# Altium PCB higgs.PcbDoc (part 1 of 25) (continued)
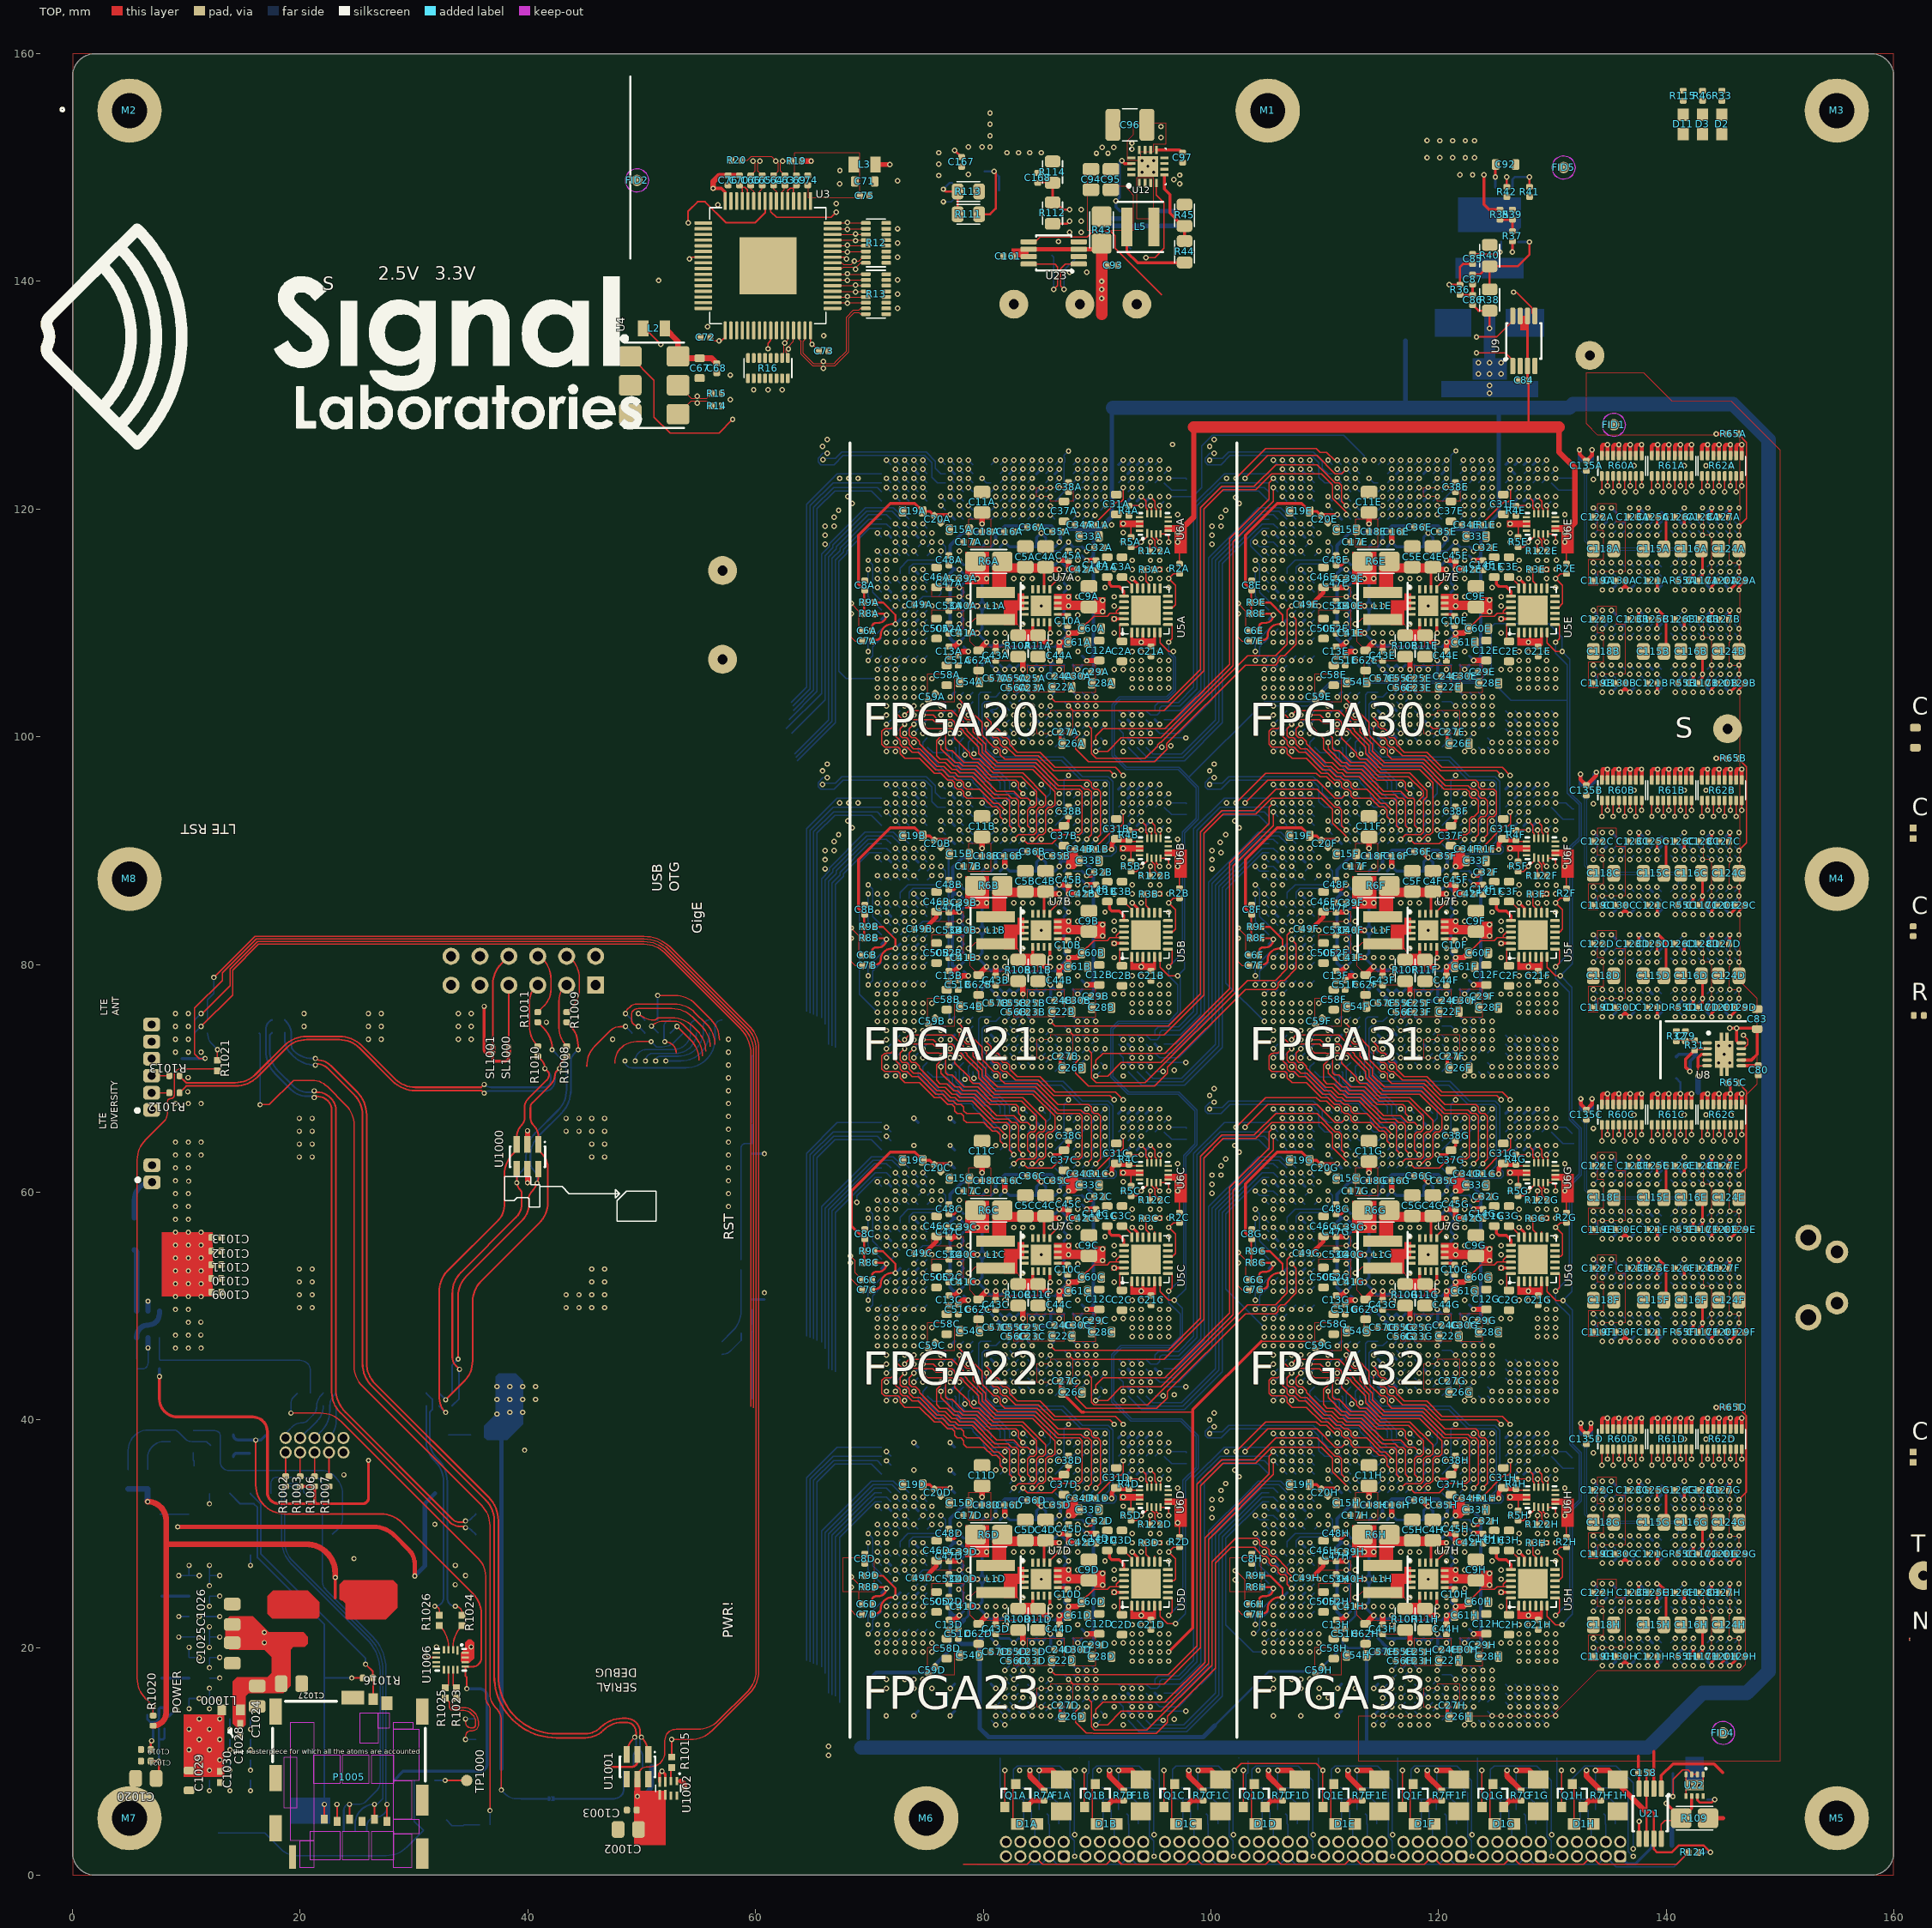
[diagram p0: TOP view]
## Design rules (kind name [scope] priority, off if disabled: settings) (continued)
9 further rules are at their usual default settings.

## Classes and differential pairs
channel class pa-900: U_pa-9001 U_pa-9002
channel class pa-5g: U_pa-5g1 U_pa-5g2
channel class pa-2g: U_pa-2g1 U_pa-2g2
net class z50l14: NetC147A_2 NetC147B_2 NetC148A_1 NetC148B_1
component class U_radio-power: R?
component class U_radio-interface: U18
component class U_pa-9002: C142B C143B C144B C145B C146B C147B C148B C149B C150B C151B C152B L10B R25B R26B U16B U17B
component class U_pa-9001: C142A C143A C144A C145A C146A C147A C148A C149A C150A C151A C152A L10A R25A R26A U16A U17A
component class U_pa-5g2: C107B C108B C109B C110B C111B C112B C113B C114B L7B R22B R23B R24B U13B
component class U_pa-5g1: C107A C108A C109A C110A C111A C112A C113A C114A L7A R22A R23A R24A U13A
component class U_pa-2g2: C98B C99B C100B C101B C102B C103B C104B C105B C106B L6B R17B R18B R21B U2B
component class U_pa-2g1: C98A C99A C100A C101A C102A C103A C104A C105A C106A L6A R17A R18A R21A U2A
component class TX: C176 C177 C178 C179 C180 C181 C182 C183 C184 C185 C186 C187 C188 C189 C190 C191 C192 C193 L11 L12 L13 L14 L15 L16 L17 L18 P7 P8 P9 P10 P11 P12 T7 T8 T9 T10 U19 U20
component class RX: C153 C154 C155 C156 C157 C169 C170 C171 C172 C173 C174 C175 P1 P2 P3 P4 P5 P6 T1 T2 T3 T4 T5 T6
net class USB: XUHOST1_D_N XUHOST1_D_P XUSB3_D_N XUSB3_D_P
net class RF: ANT_DIV ANTENNA
net class ddr_g3: IL34_30.LR.G3.D0_N IL34_30.LR.G3.D0_P IL34_30.LR.G3.D1_N IL34_30.LR.G3.D1_P IL34_30.LR.G3.D2_N IL34_30.LR.G3.D2_P IL34_30.LR.G3.D3_N IL34_30.LR.G3.D3_P IL34_30.LR.G3.D4_P IL34_30.LR.G3.S_N IL34_30.LR.G3.S_P IL34_31.LR.G3.D0_N IL34_31.LR.G3.D0_P IL34_31.LR.G3.D1_N IL34_31.LR.G3.D1_P IL34_31.LR.G3.D2_N IL34_31.LR.G3.D2_P IL34_31.LR.G3.D3_N IL34_31.LR.G3.D3_P IL34_31.LR.G3.D4_P IL34_31.LR.G3.S_N IL34_31.LR.G3.S_P IL34_32.LR.G3.D0_N IL34_32.LR.G3.D0_P IL34_32.LR.G3.D1_N IL34_32.LR.G3.D1_P IL34_32.LR.G3.D2_N IL34_32.LR.G3.D2_P IL34_32.LR.G3.D3_N IL34_32.LR.G3.D3_P IL34_32.LR.G3.D4_P IL34_32.LR.G3.S_N IL34_32.LR.G3.S_P IL34_33.LR.G3.D0_N IL34_33.LR.G3.D0_P IL34_33.LR.G3.D1_N IL34_33.LR.G3.D1_P IL34_33.LR.G3.D2_N IL34_33.LR.G3.D2_P IL34_33.LR.G3.D3_N IL34_33.LR.G3.D3_P IL34_33.LR.G3.D4_P IL34_33.LR.G3.S_N IL34_33.LR.G3.S_P
net class ddr_g2: IL34_30.LR.G2.D0_N IL34_30.LR.G2.D0_P IL34_30.LR.G2.D1_N IL34_30.LR.G2.D1_P IL34_30.LR.G2.D2_N IL34_30.LR.G2.D2_P IL34_30.LR.G2.D3_N IL34_30.LR.G2.D3_P IL34_30.LR.G2.D4_P IL34_30.LR.G2.S_N IL34_30.LR.G2.S_P IL34_31.LR.G2.D0_N IL34_31.LR.G2.D0_P IL34_31.LR.G2.D1_N IL34_31.LR.G2.D1_P IL34_31.LR.G2.D2_N IL34_31.LR.G2.D2_P IL34_31.LR.G2.D3_N IL34_31.LR.G2.D3_P IL34_31.LR.G2.D4_P IL34_31.LR.G2.S_N IL34_31.LR.G2.S_P IL34_32.LR.G2.D0_N IL34_32.LR.G2.D0_P IL34_32.LR.G2.D1_N IL34_32.LR.G2.D1_P IL34_32.LR.G2.D2_N IL34_32.LR.G2.D2_P IL34_32.LR.G2.D3_N IL34_32.LR.G2.D3_P IL34_32.LR.G2.D4_P IL34_32.LR.G2.S_N IL34_32.LR.G2.S_P IL34_33.LR.G2.D0_N IL34_33.LR.G2.D0_P IL34_33.LR.G2.D1_N IL34_33.LR.G2.D1_P IL34_33.LR.G2.D2_N IL34_33.LR.G2.D2_P IL34_33.LR.G2.D3_N IL34_33.LR.G2.D3_P IL34_33.LR.G2.D4_P IL34_33.LR.G2.S_N IL34_33.LR.G2.S_P
net class ddr_g1: IL34_30.LR.G1.D0_N IL34_30.LR.G1.D0_P IL34_30.LR.G1.D1_N IL34_30.LR.G1.D1_P IL34_30.LR.G1.D2_N IL34_30.LR.G1.D2_P IL34_30.LR.G1.D3_N IL34_30.LR.G1.D3_P IL34_30.LR.G1.D4_P IL34_30.LR.G1.S_N IL34_30.LR.G1.S_P IL34_31.LR.G1.D0_N IL34_31.LR.G1.D0_P IL34_31.LR.G1.D1_N IL34_31.LR.G1.D1_P IL34_31.LR.G1.D2_N IL34_31.LR.G1.D2_P IL34_31.LR.G1.D3_N IL34_31.LR.G1.D3_P IL34_31.LR.G1.D4_P IL34_31.LR.G1.S_N IL34_31.LR.G1.S_P IL34_32.LR.G1.D0_N IL34_32.LR.G1.D0_P IL34_32.LR.G1.D1_N IL34_32.LR.G1.D1_P IL34_32.LR.G1.D2_N IL34_32.LR.G1.D2_P IL34_32.LR.G1.D3_N IL34_32.LR.G1.D3_P IL34_32.LR.G1.D4_P IL34_32.LR.G1.S_N IL34_32.LR.G1.S_P IL34_33.LR.G1.D0_N IL34_33.LR.G1.D0_P IL34_33.LR.G1.D1_N IL34_33.LR.G1.D1_P IL34_33.LR.G1.D2_N IL34_33.LR.G1.D2_P IL34_33.LR.G1.D3_N IL34_33.LR.G1.D3_P IL34_33.LR.G1.D4_P IL34_33.LR.G1.S_N IL34_33.LR.G1.S_P
net class ddr_g0: IL34_30.LR.G0.D0_N IL34_30.LR.G0.D0_P IL34_30.LR.G0.D1_N IL34_30.LR.G0.D1_P IL34_30.LR.G0.D2_N IL34_30.LR.G0.D2_P IL34_30.LR.G0.D3_N IL34_30.LR.G0.D3_P IL34_30.LR.G0.D4_P IL34_30.LR.G0.S_N IL34_30.LR.G0.S_P IL34_31.LR.G0.D0_N IL34_31.LR.G0.D0_P IL34_31.LR.G0.D1_N IL34_31.LR.G0.D1_P IL34_31.LR.G0.D2_N IL34_31.LR.G0.D2_P IL34_31.LR.G0.D3_N IL34_31.LR.G0.D3_P IL34_31.LR.G0.D4_P IL34_31.LR.G0.S_N IL34_31.LR.G0.S_P IL34_32.LR.G0.D0_N IL34_32.LR.G0.D0_P IL34_32.LR.G0.D1_N IL34_32.LR.G0.D1_P IL34_32.LR.G0.D2_N IL34_32.LR.G0.D2_P IL34_32.LR.G0.D3_N IL34_32.LR.G0.D3_P IL34_32.LR.G0.D4_P IL34_32.LR.G0.S_N IL34_32.LR.G0.S_P IL34_33.LR.G0.D0_N IL34_33.LR.G0.D0_P IL34_33.LR.G0.D1_N IL34_33.LR.G0.D1_P IL34_33.LR.G0.D2_N IL34_33.LR.G0.D2_P IL34_33.LR.G0.D3_N IL34_33.LR.G0.D3_P IL34_33.LR.G0.D4_P IL34_33.LR.G0.S_N IL34_33.LR.G0.S_P
net class ddr_ac: IL34_30.LR.G0.D4_N IL34_30.LR.G1.D4_N IL34_30.LR.G2.D4_N IL34_30.LR.G3.D4_N IL34_30.TB.G8.D0_N IL34_30.TB.G8.D0_P IL34_30.TB.G8.D1_N IL34_30.TB.G8.D1_P IL34_30.TB.G8.D2_N IL34_30.TB.G8.D2_P IL34_30.TB.G8.D3_N IL34_30.TB.G8.D3_P IL34_30.TB.G13.C_N IL34_30.TB.G13.C_P IL34_30.TB.G13.D0_N IL34_30.TB.G13.D0_P IL34_30.TB.G13.D1_N IL34_30.TB.G13.D1_P IL34_30.TB.G13.D2_N IL34_30.TB.G13.D2_P IL34_30.TB.G13.D3_N IL34_30.TB.G13.D3_P IL34_30.TB.G13.D4_N IL34_30.TB.G13.D4_P IL34_30.TB.G13.D5_N IL34_30.TB.G13.D5_P IL34_30.TB.G13.D6 IL34_31.LR.G0.D4_N IL34_31.LR.G1.D4_N IL34_31.LR.G2.D4_N IL34_31.LR.G3.D4_N IL34_31.TB.G8.D0_N IL34_31.TB.G8.D0_P IL34_31.TB.G8.D1_N IL34_31.TB.G8.D1_P IL34_31.TB.G8.D2_N IL34_31.TB.G8.D2_P IL34_31.TB.G8.D3_N IL34_31.TB.G8.D3_P IL34_31.TB.G13.C_N IL34_31.TB.G13.C_P IL34_31.TB.G13.D0_N IL34_31.TB.G13.D0_P IL34_31.TB.G13.D1_N IL34_31.TB.G13.D1_P IL34_31.TB.G13.D2_N IL34_31.TB.G13.D2_P IL34_31.TB.G13.D3_N IL34_31.TB.G13.D3_P IL34_31.TB.G13.D4_N IL34_31.TB.G13.D4_P IL34_31.TB.G13.D5_N IL34_31.TB.G13.D5_P IL34_31.TB.G13.D6 IL34_32.LR.G0.D4_N IL34_32.LR.G1.D4_N IL34_32.LR.G2.D4_N IL34_32.LR.G3.D4_N IL34_32.TB.G8.D0_N IL34_32.TB.G8.D0_P IL34_32.TB.G8.D1_N IL34_32.TB.G8.D1_P IL34_32.TB.G8.D2_N IL34_32.TB.G8.D2_P IL34_32.TB.G8.D3_N IL34_32.TB.G8.D3_P IL34_32.TB.G13.C_N IL34_32.TB.G13.C_P IL34_32.TB.G13.D0_N IL34_32.TB.G13.D0_P IL34_32.TB.G13.D1_N IL34_32.TB.G13.D1_P IL34_32.TB.G13.D2_N IL34_32.TB.G13.D2_P IL34_32.TB.G13.D3_N IL34_32.TB.G13.D3_P IL34_32.TB.G13.D4_N IL34_32.TB.G13.D4_P IL34_32.TB.G13.D5_N IL34_32.TB.G13.D5_P IL34_32.TB.G13.D6 IL34_33.LR.G0.D4_N IL34_33.LR.G1.D4_N IL34_33.LR.G2.D4_N IL34_33.LR.G3.D4_N IL34_33.TB.G8.D0_N IL34_33.TB.G8.D0_P IL34_33.TB.G8.D1_N IL34_33.TB.G8.D1_P IL34_33.TB.G8.D2_N IL34_33.TB.G8.D2_P IL34_33.TB.G8.D3_N IL34_33.TB.G8.D3_P IL34_33.TB.G13.C_N IL34_33.TB.G13.C_P IL34_33.TB.G13.D0_N IL34_33.TB.G13.D0_P IL34_33.TB.G13.D1_N IL34_33.TB.G13.D1_P IL34_33.TB.G13.D2_N IL34_33.TB.G13.D2_P IL34_33.TB.G13.D3_N IL34_33.TB.G13.D3_P IL34_33.TB.G13.D4_N IL34_33.TB.G13.D4_P IL34_33.TB.G13.D5_N IL34_33.TB.G13.D5_P IL34_33.TB.G13.D6
net class z50: CLK20.C_N CLK20.C_P CLK21.C_N CLK21.C_P CLK22.C_N CLK22.C_P CLK23.C_N CLK23.C_P CLK30.C_N CLK30.C_P CLK31.C_N CLK31.C_P CLK32.C_N CLK32.C_P CLK33.C_N CLK33.C_P CLKCFG.C_N CLKCFG.C_P IL07_30.LR.G0.D0_N IL07_30.LR.G0.D0_P IL07_30.LR.G0.D1_N IL07_30.LR.G0.D1_P IL07_30.LR.G0.D2_N IL07_30.LR.G0.D2_P IL07_30.LR.G0.D3_N IL07_30.LR.G0.D3_P IL07_30.LR.G0.D4_N IL07_30.LR.G0.D4_P IL07_30.LR.G0.S_N IL07_30.LR.G0.S_P IL07_30.LR.G1.D0_N IL07_30.LR.G1.D0_P IL07_30.LR.G1.D1_N IL07_30.LR.G1.D1_P IL07_30.LR.G1.D2_N IL07_30.LR.G1.D2_P IL07_30.LR.G1.D3_N IL07_30.LR.G1.D3_P IL07_30.LR.G1.D4_N IL07_30.LR.G1.D4_P IL07_30.LR.G1.S_N IL07_30.LR.G1.S_P IL07_30.LR.G2.D0_N IL07_30.LR.G2.D0_P IL07_30.LR.G2.D1_N IL07_30.LR.G2.D1_P IL07_30.LR.G2.D2_N IL07_30.LR.G2.D2_P IL07_30.LR.G2.D3_N IL07_30.LR.G2.D3_P IL07_30.LR.G2.D4_N IL07_30.LR.G2.D4_P IL07_30.LR.G2.S_N IL07_30.LR.G2.S_P IL07_30.LR.G3.D0_N IL07_30.LR.G3.D0_P IL07_30.LR.G3.D1_N IL07_30.LR.G3.D1_P IL07_30.LR.G3.D2_N IL07_30.LR.G3.D2_P IL07_30.LR.G3.D3_N IL07_30.LR.G3.D3_P IL07_30.LR.G3.D4_N IL07_30.LR.G3.D4_P IL07_30.LR.G3.S_N IL07_30.LR.G3.S_P IL07_30.TB.G8.D0_N IL07_30.TB.G8.D0_P IL07_30.TB.G8.D1_N IL07_30.TB.G8.D1_P IL07_30.TB.G8.D2_N IL07_30.TB.G8.D2_P IL07_30.TB.G8.D3_N IL07_30.TB.G8.D3_P IL07_30.TB.G13.C_N IL07_30.TB.G13.C_P IL07_30.TB.G13.D0_N IL07_30.TB.G13.D0_P IL07_30.TB.G13.D1_N IL07_30.TB.G13.D1_P IL07_30.TB.G13.D2_N IL07_30.TB.G13.D2_P IL07_30.TB.G13.D3_N IL07_30.TB.G13.D3_P IL07_30.TB.G13.D4_N IL07_30.TB.G13.D4_P IL07_30.TB.G13.D5_N IL07_30.TB.G13.D5_P IL07_30.TB.G13.D6 IL07_31.LR.G0.D0_N IL07_31.LR.G0.D0_P IL07_31.LR.G0.D1_N IL07_31.LR.G0.D1_P IL07_31.LR.G0.D2_N IL07_31.LR.G0.D2_P IL07_31.LR.G0.D3_N IL07_31.LR.G0.D3_P IL07_31.LR.G0.D4_N IL07_31.LR.G0.D4_P IL07_31.LR.G0.S_N IL07_31.LR.G0.S_P IL07_31.LR.G1.D0_N IL07_31.LR.G1.D0_P IL07_31.LR.G1.D1_N IL07_31.LR.G1.D1_P IL07_31.LR.G1.D2_N IL07_31.LR.G1.D2_P IL07_31.LR.G1.D3_N IL07_31.LR.G1.D3_P IL07_31.LR.G1.D4_N IL07_31.LR.G1.D4_P IL07_31.LR.G1.S_N IL07_31.LR.G1.S_P IL07_31.LR.G2.D0_N IL07_31.LR.G2.D0_P IL07_31.LR.G2.D1_N IL07_31.LR.G2.D1_P IL07_31.LR.G2.D2_N IL07_31.LR.G2.D2_P IL07_31.LR.G2.D3_N IL07_31.LR.G2.D3_P IL07_31.LR.G2.D4_N IL07_31.LR.G2.D4_P IL07_31.LR.G2.S_N IL07_31.LR.G2.S_P IL07_31.LR.G3.D0_N IL07_31.LR.G3.D0_P IL07_31.LR.G3.D1_N IL07_31.LR.G3.D1_P IL07_31.LR.G3.D2_N IL07_31.LR.G3.D2_P IL07_31.LR.G3.D3_N IL07_31.LR.G3.D3_P IL07_31.LR.G3.D4_N IL07_31.LR.G3.D4_P IL07_31.LR.G3.S_N IL07_31.LR.G3.S_P IL07_31.TB.G8.D0_N IL07_31.TB.G8.D0_P IL07_31.TB.G8.D1_N IL07_31.TB.G8.D1_P IL07_31.TB.G8.D2_N IL07_31.TB.G8.D2_P IL07_31.TB.G8.D3_N IL07_31.TB.G8.D3_P IL07_31.TB.G13.C_N IL07_31.TB.G13.C_P IL07_31.TB.G13.D0_N IL07_31.TB.G13.D0_P IL07_31.TB.G13.D1_N IL07_31.TB.G13.D1_P IL07_31.TB.G13.D2_N IL07_31.TB.G13.D2_P IL07_31.TB.G13.D3_N IL07_31.TB.G13.D3_P IL07_31.TB.G13.D4_N IL07_31.TB.G13.D4_P IL07_31.TB.G13.D5_N IL07_31.TB.G13.D5_P IL07_31.TB.G13.D6 IL07_32.LR.G0.D0_N IL07_32.LR.G0.D0_P IL07_32.LR.G0.D1_N IL07_32.LR.G0.D1_P IL07_32.LR.G0.D2_N IL07_32.LR.G0.D2_P IL07_32.LR.G0.D3_N IL07_32.LR.G0.D3_P IL07_32.LR.G0.D4_N IL07_32.LR.G0.D4_P IL07_32.LR.G0.S_N IL07_32.LR.G0.S_P IL07_32.LR.G1.D0_N IL07_32.LR.G1.D0_P IL07_32.LR.G1.D1_N IL07_32.LR.G1.D1_P IL07_32.LR.G1.D2_N IL07_32.LR.G1.D2_P IL07_32.LR.G1.D3_N IL07_32.LR.G1.D3_P IL07_32.LR.G1.D4_N IL07_32.LR.G1.D4_P IL07_32.LR.G1.S_N IL07_32.LR.G1.S_P IL07_32.LR.G2.D0_N IL07_32.LR.G2.D0_P IL07_32.LR.G2.D1_N IL07_32.LR.G2.D1_P IL07_32.LR.G2.D2_N IL07_32.LR.G2.D2_P IL07_32.LR.G2.D3_N IL07_32.LR.G2.D3_P IL07_32.LR.G2.D4_N IL07_32.LR.G2.D4_P IL07_32.LR.G2.S_N IL07_32.LR.G2.S_P IL07_32.LR.G3.D0_N IL07_32.LR.G3.D0_P IL07_32.LR.G3.D1_N IL07_32.LR.G3.D1_P IL07_32.LR.G3.D2_N IL07_32.LR.G3.D2_P IL07_32.LR.G3.D3_N IL07_32.LR.G3.D3_P IL07_32.LR.G3.D4_N IL07_32.LR.G3.D4_P IL07_32.LR.G3.S_N IL07_32.LR.G3.S_P IL07_32.TB.G8.D0_N IL07_32.TB.G8.D0_P IL07_32.TB.G8.D1_N IL07_32.TB.G8.D1_P IL07_32.TB.G8.D2_N IL07_32.TB.G8.D2_P IL07_32.TB.G8.D3_N IL07_32.TB.G8.D3_P IL07_32.TB.G13.C_N IL07_32.TB.G13.C_P IL07_32.TB.G13.D0_N IL07_32.TB.G13.D0_P IL07_32.TB.G13.D1_N IL07_32.TB.G13.D1_P IL07_32.TB.G13.D2_N IL07_32.TB.G13.D2_P IL07_32.TB.G13.D3_N IL07_32.TB.G13.D3_P IL07_32.TB.G13.D4_N IL07_32.TB.G13.D4_P IL07_32.TB.G13.D5_N IL07_32.TB.G13.D5_P IL07_32.TB.G13.D6 IL07_33.LR.G0.D0_N IL07_33.LR.G0.D0_P IL07_33.LR.G0.D1_N IL07_33.LR.G0.D1_P IL07_33.LR.G0.D2_N IL07_33.LR.G0.D2_P IL07_33.LR.G0.D3_N IL07_33.LR.G0.D3_P IL07_33.LR.G0.D4_N IL07_33.LR.G0.D4_P IL07_33.LR.G0.S_N IL07_33.LR.G0.S_P IL07_33.LR.G1.D0_N IL07_33.LR.G1.D0_P IL07_33.LR.G1.D1_N IL07_33.LR.G1.D1_P IL07_33.LR.G1.D2_N IL07_33.LR.G1.D2_P IL07_33.LR.G1.D3_N IL07_33.LR.G1.D3_P IL07_33.LR.G1.D4_N IL07_33.LR.G1.D4_P IL07_33.LR.G1.S_N IL07_33.LR.G1.S_P IL07_33.LR.G2.D0_N IL07_33.LR.G2.D0_P IL07_33.LR.G2.D1_N IL07_33.LR.G2.D1_P IL07_33.LR.G2.D2_N IL07_33.LR.G2.D2_P IL07_33.LR.G2.D3_N IL07_33.LR.G2.D3_P IL07_33.LR.G2.D4_N IL07_33.LR.G2.D4_P IL07_33.LR.G2.S_N IL07_33.LR.G2.S_P IL07_33.LR.G3.D0_N IL07_33.LR.G3.D0_P IL07_33.LR.G3.D1_N IL07_33.LR.G3.D1_P IL07_33.LR.G3.D2_N IL07_33.LR.G3.D2_P IL07_33.LR.G3.D3_N IL07_33.LR.G3.D3_P IL07_33.LR.G3.D4_N IL07_33.LR.G3.D4_P IL07_33.LR.G3.S_N IL07_33.LR.G3.S_P IL07_33.TB.G8.D0_N IL07_33.TB.G8.D0_P IL07_33.TB.G8.D1_N IL07_33.TB.G8.D1_P IL07_33.TB.G8.D2_N IL07_33.TB.G8.D2_P IL07_33.TB.G8.D3_N IL07_33.TB.G8.D3_P IL07_33.TB.G13.C_N IL07_33.TB.G13.C_P IL07_33.TB.G13.D0_N IL07_33.TB.G13.D0_P IL07_33.TB.G13.D1_N IL07_33.TB.G13.D1_P IL07_33.TB.G13.D2_N IL07_33.TB.G13.D2_P IL07_33.TB.G13.D3_N IL07_33.TB.G13.D3_P IL07_33.TB.G13.D4_N IL07_33.TB.G13.D4_P IL07_33.TB.G13.D5_N IL07_33.TB.G13.D5_P IL07_33.TB.G13.D6 IL12_20.LR.G0.D0_N IL12_20.LR.G0.D0_P IL12_20.LR.G0.D1_N IL12_20.LR.G0.D1_P IL12_20.LR.G0.D2_N IL12_20.LR.G0.D2_P IL12_20.LR.G0.D3_N IL12_20.LR.G0.D3_P IL12_20.LR.G0.D4_N IL12_20.LR.G0.D4_P IL12_20.LR.G0.S_N IL12_20.LR.G0.S_P IL12_20.LR.G1.D0_N IL12_20.LR.G1.D0_P IL12_20.LR.G1.D1_N IL12_20.LR.G1.D1_P IL12_20.LR.G1.D2_N IL12_20.LR.G1.D2_P IL12_20.LR.G1.D3_N IL12_20.LR.G1.D3_P IL12_20.LR.G1.D4_N IL12_20.LR.G1.D4_P IL12_20.LR.G1.S_N IL12_20.LR.G1.S_P IL12_20.LR.G2.D0_N IL12_20.LR.G2.D0_P IL12_20.LR.G2.D1_N IL12_20.LR.G2.D1_P IL12_20.LR.G2.D2_N IL12_20.LR.G2.D2_P IL12_20.LR.G2.D3_N IL12_20.LR.G2.D3_P IL12_20.LR.G2.D4_N IL12_20.LR.G2.D4_P IL12_20.LR.G2.S_N IL12_20.LR.G2.S_P IL12_20.LR.G3.D0_N IL12_20.LR.G3.D0_P IL12_20.LR.G3.D1_N IL12_20.LR.G3.D1_P IL12_20.LR.G3.D2_N IL12_20.LR.G3.D2_P IL12_20.LR.G3.D3_N IL12_20.LR.G3.D3_P IL12_20.LR.G3.D4_N IL12_20.LR.G3.D4_P IL12_20.LR.G3.S_N IL12_20.LR.G3.S_P IL12_20.TB.G8.D0_N IL12_20.TB.G8.D0_P IL12_20.TB.G8.D1_N IL12_20.TB.G8.D1_P IL12_20.TB.G8.D2_N IL12_20.TB.G8.D2_P IL12_20.TB.G8.D3_N IL12_20.TB.G8.D3_P IL12_20.TB.G13.C_N IL12_20.TB.G13.C_P IL12_20.TB.G13.D0_N IL12_20.TB.G13.D0_P IL12_20.TB.G13.D1_N IL12_20.TB.G13.D1_P IL12_20.TB.G13.D2_N IL12_20.TB.G13.D2_P IL12_20.TB.G13.D3_N IL12_20.TB.G13.D3_P IL12_20.TB.G13.D4_N IL12_20.TB.G13.D4_P IL12_20.TB.G13.D5_N IL12_20.TB.G13.D5_P IL12_20.TB.G13.D6 IL12_21.LR.G0.D0_N IL12_21.LR.G0.D0_P IL12_21.LR.G0.D1_N IL12_21.LR.G0.D1_P IL12_21.LR.G0.D2_N IL12_21.LR.G0.D2_P IL12_21.LR.G0.D3_N IL12_21.LR.G0.D3_P IL12_21.LR.G0.D4_N IL12_21.LR.G0.D4_P IL12_21.LR.G0.S_N IL12_21.LR.G0.S_P IL12_21.LR.G1.D0_N IL12_21.LR.G1.D0_P IL12_21.LR.G1.D1_N IL12_21.LR.G1.D1_P IL12_21.LR.G1.D2_N IL12_21.LR.G1.D2_P IL12_21.LR.G1.D3_N IL12_21.LR.G1.D3_P IL12_21.LR.G1.D4_N IL12_21.LR.G1.D4_P IL12_21.LR.G1.S_N IL12_21.LR.G1.S_P IL12_21.LR.G2.D0_N IL12_21.LR.G2.D0_P IL12_21.LR.G2.D1_N IL12_21.LR.G2.D1_P IL12_21.LR.G2.D2_N IL12_21.LR.G2.D2_P IL12_21.LR.G2.D3_N IL12_21.LR.G2.D3_P IL12_21.LR.G2.D4_N IL12_21.LR.G2.D4_P IL12_21.LR.G2.S_N IL12_21.LR.G2.S_P IL12_21.LR.G3.D0_N IL12_21.LR.G3.D0_P IL12_21.LR.G3.D1_N IL12_21.LR.G3.D1_P IL12_21.LR.G3.D2_N IL12_21.LR.G3.D2_P IL12_21.LR.G3.D3_N IL12_21.LR.G3.D3_P IL12_21.LR.G3.D4_N IL12_21.LR.G3.D4_P IL12_21.LR.G3.S_N IL12_21.LR.G3.S_P IL12_21.TB.G8.D0_N IL12_21.TB.G8.D0_P IL12_21.TB.G8.D1_N IL12_21.TB.G8.D1_P IL12_21.TB.G8.D2_N IL12_21.TB.G8.D2_P IL12_21.TB.G8.D3_N IL12_21.TB.G8.D3_P IL12_21.TB.G13.C_N IL12_21.TB.G13.C_P IL12_21.TB.G13.D0_N IL12_21.TB.G13.D0_P IL12_21.TB.G13.D1_N IL12_21.TB.G13.D1_P IL12_21.TB.G13.D2_N IL12_21.TB.G13.D2_P IL12_21.TB.G13.D3_N IL12_21.TB.G13.D3_P IL12_21.TB.G13.D4_N IL12_21.TB.G13.D4_P IL12_21.TB.G13.D5_N IL12_21.TB.G13.D5_P IL12_21.TB.G13.D6 IL12_22.LR.G0.D0_N IL12_22.LR.G0.D0_P IL12_22.LR.G0.D1_N IL12_22.LR.G0.D1_P IL12_22.LR.G0.D2_N IL12_22.LR.G0.D2_P IL12_22.LR.G0.D3_N IL12_22.LR.G0.D3_P IL12_22.LR.G0.D4_N IL12_22.LR.G0.D4_P IL12_22.LR.G0.S_N IL12_22.LR.G0.S_P IL12_22.LR.G1.D0_N IL12_22.LR.G1.D0_P IL12_22.LR.G1.D1_N IL12_22.LR.G1.D1_P IL12_22.LR.G1.D2_N IL12_22.LR.G1.D2_P IL12_22.LR.G1.D3_N IL12_22.LR.G1.D3_P IL12_22.LR.G1.D4_N IL12_22.LR.G1.D4_P IL12_22.LR.G1.S_N IL12_22.LR.G1.S_P IL12_22.LR.G2.D0_N IL12_22.LR.G2.D0_P IL12_22.LR.G2.D1_N IL12_22.LR.G2.D1_P IL12_22.LR.G2.D2_N IL12_22.LR.G2.D2_P IL12_22.LR.G2.D3_N IL12_22.LR.G2.D3_P IL12_22.LR.G2.D4_N IL12_22.LR.G2.D4_P IL12_22.LR.G2.S_N IL12_22.LR.G2.S_P IL12_22.LR.G3.D0_N IL12_22.LR.G3.D0_P IL12_22.LR.G3.D1_N IL12_22.LR.G3.D1_P IL12_22.LR.G3.D2_N IL12_22.LR.G3.D2_P IL12_22.LR.G3.D3_N IL12_22.LR.G3.D3_P IL12_22.LR.G3.D4_N IL12_22.LR.G3.D4_P IL12_22.LR.G3.S_N IL12_22.LR.G3.S_P IL12_22.TB.G8.D0_N IL12_22.TB.G8.D0_P IL12_22.TB.G8.D1_N IL12_22.TB.G8.D1_P IL12_22.TB.G8.D2_N IL12_22.TB.G8.D2_P IL12_22.TB.G8.D3_N IL12_22.TB.G8.D3_P IL12_22.TB.G13.C_N IL12_22.TB.G13.C_P IL12_22.TB.G13.D0_N IL12_22.TB.G13.D0_P IL12_22.TB.G13.D1_N IL12_22.TB.G13.D1_P IL12_22.TB.G13.D2_N IL12_22.TB.G13.D2_P IL12_22.TB.G13.D3_N IL12_22.TB.G13.D3_P IL12_22.TB.G13.D4_N IL12_22.TB.G13.D4_P IL12_22.TB.G13.D5_N IL12_22.TB.G13.D5_P IL12_22.TB.G13.D6 IL12_30.LR.G0.D0_N IL12_30.LR.G0.D0_P IL12_30.LR.G0.D1_N IL12_30.LR.G0.D1_P IL12_30.LR.G0.D2_N IL12_30.LR.G0.D2_P IL12_30.LR.G0.D3_N IL12_30.LR.G0.D3_P IL12_30.LR.G0.D4_N IL12_30.LR.G0.D4_P IL12_30.LR.G0.S_N IL12_30.LR.G0.S_P IL12_30.LR.G1.D0_N IL12_30.LR.G1.D0_P IL12_30.LR.G1.D1_N IL12_30.LR.G1.D1_P IL12_30.LR.G1.D2_N IL12_30.LR.G1.D2_P IL12_30.LR.G1.D3_N IL12_30.LR.G1.D3_P IL12_30.LR.G1.D4_N IL12_30.LR.G1.D4_P IL12_30.LR.G1.S_N IL12_30.LR.G1.S_P IL12_30.LR.G2.D0_N IL12_30.LR.G2.D0_P IL12_30.LR.G2.D1_N IL12_30.LR.G2.D1_P IL12_30.LR.G2.D2_N IL12_30.LR.G2.D2_P IL12_30.LR.G2.D3_N IL12_30.LR.G2.D3_P IL12_30.LR.G2.D4_N IL12_30.LR.G2.D4_P IL12_30.LR.G2.S_N IL12_30.LR.G2.S_P IL12_30.LR.G3.D0_N IL12_30.LR.G3.D0_P IL12_30.LR.G3.D1_N IL12_30.LR.G3.D1_P IL12_30.LR.G3.D2_N IL12_30.LR.G3.D2_P IL12_30.LR.G3.D3_N IL12_30.LR.G3.D3_P IL12_30.LR.G3.D4_N IL12_30.LR.G3.D4_P IL12_30.LR.G3.S_N IL12_30.LR.G3.S_P IL12_30.TB.G8.D0_N IL12_30.TB.G8.D0_P IL12_30.TB.G8.D1_N IL12_30.TB.G8.D1_P IL12_30.TB.G8.D2_N IL12_30.TB.G8.D2_P IL12_30.TB.G8.D3_N IL12_30.TB.G8.D3_P IL12_30.TB.G13.C_N IL12_30.TB.G13.C_P IL12_30.TB.G13.D0_N IL12_30.TB.G13.D0_P IL12_30.TB.G13.D1_N IL12_30.TB.G13.D1_P IL12_30.TB.G13.D2_N IL12_30.TB.G13.D2_P IL12_30.TB.G13.D3_N IL12_30.TB.G13.D3_P IL12_30.TB.G13.D4_N IL12_30.TB.G13.D4_P IL12_30.TB.G13.D5_N IL12_30.TB.G13.D5_P IL12_30.TB.G13.D6 IL12_31.LR.G0.D0_N IL12_31.LR.G0.D0_P IL12_31.LR.G0.D1_N IL12_31.LR.G0.D1_P IL12_31.LR.G0.D2_N IL12_31.LR.G0.D2_P IL12_31.LR.G0.D3_N IL12_31.LR.G0.D3_P IL12_31.LR.G0.D4_N IL12_31.LR.G0.D4_P IL12_31.LR.G0.S_N IL12_31.LR.G0.S_P IL12_31.LR.G1.D0_N IL12_31.LR.G1.D0_P IL12_31.LR.G1.D1_N IL12_31.LR.G1.D1_P IL12_31.LR.G1.D2_N IL12_31.LR.G1.D2_P IL12_31.LR.G1.D3_N IL12_31.LR.G1.D3_P IL12_31.LR.G1.D4_N IL12_31.LR.G1.D4_P IL12_31.LR.G1.S_N IL12_31.LR.G1.S_P IL12_31.LR.G2.D0_N IL12_31.LR.G2.D0_P IL12_31.LR.G2.D1_N IL12_31.LR.G2.D1_P IL12_31.LR.G2.D2_N IL12_31.LR.G2.D2_P IL12_31.LR.G2.D3_N IL12_31.LR.G2.D3_P IL12_31.LR.G2.D4_N IL12_31.LR.G2.D4_P IL12_31.LR.G2.S_N IL12_31.LR.G2.S_P IL12_31.LR.G3.D0_N IL12_31.LR.G3.D0_P IL12_31.LR.G3.D1_N IL12_31.LR.G3.D1_P IL12_31.LR.G3.D2_N IL12_31.LR.G3.D2_P IL12_31.LR.G3.D3_N IL12_31.LR.G3.D3_P IL12_31.LR.G3.D4_N IL12_31.LR.G3.D4_P IL12_31.LR.G3.S_N IL12_31.LR.G3.S_P IL12_31.TB.G8.D0_N IL12_31.TB.G8.D0_P IL12_31.TB.G8.D1_N IL12_31.TB.G8.D1_P IL12_31.TB.G8.D2_N IL12_31.TB.G8.D2_P IL12_31.TB.G8.D3_N IL12_31.TB.G8.D3_P IL12_31.TB.G13.C_N IL12_31.TB.G13.C_P IL12_31.TB.G13.D0_N IL12_31.TB.G13.D0_P IL12_31.TB.G13.D1_N IL12_31.TB.G13.D1_P IL12_31.TB.G13.D2_N IL12_31.TB.G13.D2_P IL12_31.TB.G13.D3_N IL12_31.TB.G13.D3_P IL12_31.TB.G13.D4_N IL12_31.TB.G13.D4_P IL12_31.TB.G13.D5_N IL12_31.TB.G13.D5_P IL12_31.TB.G13.D6 IL12_32.LR.G0.D0_N IL12_32.LR.G0.D0_P IL12_32.LR.G0.D1_N IL12_32.LR.G0.D1_P IL12_32.LR.G0.D2_N IL12_32.LR.G0.D2_P IL12_32.LR.G0.D3_N IL12_32.LR.G0.D3_P IL12_32.LR.G0.D4_N IL12_32.LR.G0.D4_P IL12_32.LR.G0.S_N IL12_32.LR.G0.S_P IL12_32.LR.G1.D0_N IL12_32.LR.G1.D0_P IL12_32.LR.G1.D1_N IL12_32.LR.G1.D1_P IL12_32.LR.G1.D2_N IL12_32.LR.G1.D2_P IL12_32.LR.G1.D3_N IL12_32.LR.G1.D3_P IL12_32.LR.G1.D4_N IL12_32.LR.G1.D4_P IL12_32.LR.G1.S_N IL12_32.LR.G1.S_P IL12_32.LR.G2.D0_N IL12_32.LR.G2.D0_P IL12_32.LR.G2.D1_N IL12_32.LR.G2.D1_P IL12_32.LR.G2.D2_N IL12_32.LR.G2.D2_P IL12_32.LR.G2.D3_N IL12_32.LR.G2.D3_P IL12_32.LR.G2.D4_N IL12_32.LR.G2.D4_P IL12_32.LR.G2.S_N IL12_32.LR.G2.S_P IL12_32.LR.G3.D0_N IL12_32.LR.G3.D0_P IL12_32.LR.G3.D1_N IL12_32.LR.G3.D1_P IL12_32.LR.G3.D2_N IL12_32.LR.G3.D2_P IL12_32.LR.G3.D3_N IL12_32.LR.G3.D3_P IL12_32.LR.G3.D4_N IL12_32.LR.G3.D4_P IL12_32.LR.G3.S_N IL12_32.LR.G3.S_P IL12_32.TB.G8.D0_N IL12_32.TB.G8.D0_P IL12_32.TB.G8.D1_N IL12_32.TB.G8.D1_P IL12_32.TB.G8.D2_N IL12_32.TB.G8.D2_P IL12_32.TB.G8.D3_N IL12_32.TB.G8.D3_P IL12_32.TB.G13.C_N IL12_32.TB.G13.C_P IL12_32.TB.G13.D0_N IL12_32.TB.G13.D0_P IL12_32.TB.G13.D1_N IL12_32.TB.G13.D1_P IL12_32.TB.G13.D2_N IL12_32.TB.G13.D2_P IL12_32.TB.G13.D3_N IL12_32.TB.G13.D3_P IL12_32.TB.G13.D4_N IL12_32.TB.G13.D4_P IL12_32.TB.G13.D5_N IL12_32.TB.G13.D5_P IL12_32.TB.G13.D6 IL34_30.LR.G0.D0_N IL34_30.LR.G0.D0_P IL34_30.LR.G0.D1_N IL34_30.LR.G0.D1_P IL34_30.LR.G0.D2_N IL34_30.LR.G0.D2_P IL34_30.LR.G0.D3_N IL34_30.LR.G0.D3_P IL34_30.LR.G0.D4_N IL34_30.LR.G0.D4_P IL34_30.LR.G0.S_N IL34_30.LR.G0.S_P IL34_30.LR.G1.D0_N IL34_30.LR.G1.D0_P IL34_30.LR.G1.D1_N IL34_30.LR.G1.D1_P IL34_30.LR.G1.D2_N IL34_30.LR.G1.D2_P IL34_30.LR.G1.D3_N IL34_30.LR.G1.D3_P IL34_30.LR.G1.D4_N IL34_30.LR.G1.D4_P IL34_30.LR.G1.S_N IL34_30.LR.G1.S_P IL34_30.LR.G2.D0_N IL34_30.LR.G2.D0_P IL34_30.LR.G2.D1_N IL34_30.LR.G2.D1_P IL34_30.LR.G2.D2_N IL34_30.LR.G2.D2_P IL34_30.LR.G2.D3_N IL34_30.LR.G2.D3_P IL34_30.LR.G2.D4_N IL34_30.LR.G2.D4_P IL34_30.LR.G2.S_N IL34_30.LR.G2.S_P IL34_30.LR.G3.D0_N IL34_30.LR.G3.D0_P IL34_30.LR.G3.D1_N IL34_30.LR.G3.D1_P IL34_30.LR.G3.D2_N IL34_30.LR.G3.D2_P IL34_30.LR.G3.D3_N IL34_30.LR.G3.D3_P IL34_30.LR.G3.D4_N IL34_30.LR.G3.D4_P IL34_30.LR.G3.S_N IL34_30.LR.G3.S_P IL34_30.TB.G8.D0_N IL34_30.TB.G8.D0_P IL34_30.TB.G8.D1_N IL34_30.TB.G8.D1_P IL34_30.TB.G8.D2_N IL34_30.TB.G8.D2_P IL34_30.TB.G8.D3_N IL34_30.TB.G8.D3_P IL34_30.TB.G13.C_N IL34_30.TB.G13.C_P IL34_30.TB.G13.D0_N IL34_30.TB.G13.D0_P IL34_30.TB.G13.D1_N IL34_30.TB.G13.D1_P IL34_30.TB.G13.D2_N IL34_30.TB.G13.D2_P IL34_30.TB.G13.D3_N IL34_30.TB.G13.D3_P IL34_30.TB.G13.D4_N IL34_30.TB.G13.D4_P IL34_30.TB.G13.D5_N IL34_30.TB.G13.D5_P IL34_30.TB.G13.D6 IL34_31.LR.G0.D0_N IL34_31.LR.G0.D0_P IL34_31.LR.G0.D1_N IL34_31.LR.G0.D1_P IL34_31.LR.G0.D2_N IL34_31.LR.G0.D2_P IL34_31.LR.G0.D3_N IL34_31.LR.G0.D3_P IL34_31.LR.G0.D4_N IL34_31.LR.G0.D4_P IL34_31.LR.G0.S_N IL34_31.LR.G0.S_P IL34_31.LR.G1.D0_N IL34_31.LR.G1.D0_P IL34_31.LR.G1.D1_N IL34_31.LR.G1.D1_P IL34_31.LR.G1.D2_N IL34_31.LR.G1.D2_P IL34_31.LR.G1.D3_N IL34_31.LR.G1.D3_P IL34_31.LR.G1.D4_N IL34_31.LR.G1.D4_P IL34_31.LR.G1.S_N IL34_31.LR.G1.S_P IL34_31.LR.G2.D0_N IL34_31.LR.G2.D0_P IL34_31.LR.G2.D1_N IL34_31.LR.G2.D1_P IL34_31.LR.G2.D2_N IL34_31.LR.G2.D2_P IL34_31.LR.G2.D3_N IL34_31.LR.G2.D3_P IL34_31.LR.G2.D4_N IL34_31.LR.G2.D4_P IL34_31.LR.G2.S_N IL34_31.LR.G2.S_P IL34_31.LR.G3.D0_N IL34_31.LR.G3.D0_P IL34_31.LR.G3.D1_N IL34_31.LR.G3.D1_P IL34_31.LR.G3.D2_N IL34_31.LR.G3.D2_P IL34_31.LR.G3.D3_N IL34_31.LR.G3.D3_P IL34_31.LR.G3.D4_N IL34_31.LR.G3.D4_P IL34_31.LR.G3.S_N IL34_31.LR.G3.S_P IL34_31.TB.G8.D0_N IL34_31.TB.G8.D0_P IL34_31.TB.G8.D1_N IL34_31.TB.G8.D1_P IL34_31.TB.G8.D2_N IL34_31.TB.G8.D2_P IL34_31.TB.G8.D3_N IL34_31.TB.G8.D3_P IL34_31.TB.G13.C_N IL34_31.TB.G13.C_P IL34_31.TB.G13.D0_N IL34_31.TB.G13.D0_P IL34_31.TB.G13.D1_N IL34_31.TB.G13.D1_P IL34_31.TB.G13.D2_N IL34_31.TB.G13.D2_P IL34_31.TB.G13.D3_N IL34_31.TB.G13.D3_P IL34_31.TB.G13.D4_N IL34_31.TB.G13.D4_P IL34_31.TB.G13.D5_N IL34_31.TB.G13.D5_P IL34_31.TB.G13.D6 IL34_32.LR.G0.D0_N IL34_32.LR.G0.D0_P IL34_32.LR.G0.D1_N IL34_32.LR.G0.D1_P IL34_32.LR.G0.D2_N IL34_32.LR.G0.D2_P IL34_32.LR.G0.D3_N IL34_32.LR.G0.D3_P IL34_32.LR.G0.D4_N IL34_32.LR.G0.D4_P IL34_32.LR.G0.S_N IL34_32.LR.G0.S_P IL34_32.LR.G1.D0_N IL34_32.LR.G1.D0_P IL34_32.LR.G1.D1_N IL34_32.LR.G1.D1_P IL34_32.LR.G1.D2_N IL34_32.LR.G1.D2_P IL34_32.LR.G1.D3_N IL34_32.LR.G1.D3_P IL34_32.LR.G1.D4_N IL34_32.LR.G1.D4_P IL34_32.LR.G1.S_N IL34_32.LR.G1.S_P IL34_32.LR.G2.D0_N IL34_32.LR.G2.D0_P IL34_32.LR.G2.D1_N IL34_32.LR.G2.D1_P IL34_32.LR.G2.D2_N IL34_32.LR.G2.D2_P IL34_32.LR.G2.D3_N IL34_32.LR.G2.D3_P IL34_32.LR.G2.D4_N IL34_32.LR.G2.D4_P IL34_32.LR.G2.S_N IL34_32.LR.G2.S_P IL34_32.LR.G3.D0_N IL34_32.LR.G3.D0_P IL34_32.LR.G3.D1_N IL34_32.LR.G3.D1_P IL34_32.LR.G3.D2_N IL34_32.LR.G3.D2_P IL34_32.LR.G3.D3_N IL34_32.LR.G3.D3_P IL34_32.LR.G3.D4_N IL34_32.LR.G3.D4_P IL34_32.LR.G3.S_N IL34_32.LR.G3.S_P IL34_32.TB.G8.D0_N IL34_32.TB.G8.D0_P IL34_32.TB.G8.D1_N IL34_32.TB.G8.D1_P IL34_32.TB.G8.D2_N IL34_32.TB.G8.D2_P IL34_32.TB.G8.D3_N IL34_32.TB.G8.D3_P IL34_32.TB.G13.C_N IL34_32.TB.G13.C_P IL34_32.TB.G13.D0_N IL34_32.TB.G13.D0_P IL34_32.TB.G13.D1_N IL34_32.TB.G13.D1_P IL34_32.TB.G13.D2_N IL34_32.TB.G13.D2_P IL34_32.TB.G13.D3_N IL34_32.TB.G13.D3_P IL34_32.TB.G13.D4_N IL34_32.TB.G13.D4_P IL34_32.TB.G13.D5_N IL34_32.TB.G13.D5_P IL34_32.TB.G13.D6 IL34_33.LR.G0.D0_N IL34_33.LR.G0.D0_P IL34_33.LR.G0.D1_N IL34_33.LR.G0.D1_P IL34_33.LR.G0.D2_N IL34_33.LR.G0.D2_P IL34_33.LR.G0.D3_N IL34_33.LR.G0.D3_P IL34_33.LR.G0.D4_N IL34_33.LR.G0.D4_P IL34_33.LR.G0.S_N IL34_33.LR.G0.S_P IL34_33.LR.G1.D0_N IL34_33.LR.G1.D0_P IL34_33.LR.G1.D1_N IL34_33.LR.G1.D1_P IL34_33.LR.G1.D2_N IL34_33.LR.G1.D2_P IL34_33.LR.G1.D3_N IL34_33.LR.G1.D3_P IL34_33.LR.G1.D4_N IL34_33.LR.G1.D4_P IL34_33.LR.G1.S_N IL34_33.LR.G1.S_P IL34_33.LR.G2.D0_N IL34_33.LR.G2.D0_P IL34_33.LR.G2.D1_N IL34_33.LR.G2.D1_P IL34_33.LR.G2.D2_N IL34_33.LR.G2.D2_P IL34_33.LR.G2.D3_N IL34_33.LR.G2.D3_P IL34_33.LR.G2.D4_N IL34_33.LR.G2.D4_P IL34_33.LR.G2.S_N IL34_33.LR.G2.S_P IL34_33.LR.G3.D0_N IL34_33.LR.G3.D0_P IL34_33.LR.G3.D1_N IL34_33.LR.G3.D1_P IL34_33.LR.G3.D2_N IL34_33.LR.G3.D2_P IL34_33.LR.G3.D3_N IL34_33.LR.G3.D3_P IL34_33.LR.G3.D4_N IL34_33.LR.G3.D4_P IL34_33.LR.G3.S_N IL34_33.LR.G3.S_P IL34_33.TB.G8.D0_N IL34_33.TB.G8.D0_P IL34_33.TB.G8.D1_N IL34_33.TB.G8.D1_P IL34_33.TB.G8.D2_N IL34_33.TB.G8.D2_P IL34_33.TB.G8.D3_N IL34_33.TB.G8.D3_P IL34_33.TB.G13.C_N IL34_33.TB.G13.C_P IL34_33.TB.G13.D0_N IL34_33.TB.G13.D0_P IL34_33.TB.G13.D1_N IL34_33.TB.G13.D1_P IL34_33.TB.G13.D2_N IL34_33.TB.G13.D2_P IL34_33.TB.G13.D3_N IL34_33.TB.G13.D3_P IL34_33.TB.G13.D4_N IL34_33.TB.G13.D4_P IL34_33.TB.G13.D5_N IL34_33.TB.G13.D5_P IL34_33.TB.G13.D6 MCLK_C_N MCLK_C_P OBCLK_C_N OBCLK_C_P OBCLK_N OBCLK_P
net class tight: CLK20.C_N CLK20.C_P CLK21.C_N CLK21.C_P CLK22.C_N CLK22.C_P CLK23.C_N CLK23.C_P CLK30.C_N CLK30.C_P CLK31.C_N CLK31.C_P CLK32.C_N CLK32.C_P CLK33.C_N CLK33.C_P CLKCFG.C_N CLKCFG.C_P IL34_30.LR.G0.S_N IL34_30.LR.G0.S_P IL34_30.LR.G1.S_N IL34_30.LR.G1.S_P IL34_30.LR.G2.S_N IL34_30.LR.G2.S_P IL34_30.LR.G3.S_N IL34_30.LR.G3.S_P IL34_30.TB.G13.C_N IL34_30.TB.G13.C_P IL34_31.LR.G0.S_N IL34_31.LR.G0.S_P IL34_31.LR.G1.S_N IL34_31.LR.G1.S_P IL34_31.LR.G2.S_N IL34_31.LR.G2.S_P IL34_31.LR.G3.S_N IL34_31.LR.G3.S_P IL34_31.TB.G13.C_N IL34_31.TB.G13.C_P IL34_32.LR.G0.S_N IL34_32.LR.G0.S_P IL34_32.LR.G1.S_N IL34_32.LR.G1.S_P IL34_32.LR.G2.S_N IL34_32.LR.G2.S_P IL34_32.LR.G3.S_N IL34_32.LR.G3.S_P IL34_32.TB.G13.C_N IL34_32.TB.G13.C_P IL34_33.LR.G0.S_N IL34_33.LR.G0.S_P IL34_33.LR.G1.S_N IL34_33.LR.G1.S_P IL34_33.LR.G2.S_N IL34_33.LR.G2.S_P IL34_33.LR.G3.S_N IL34_33.LR.G3.S_P IL34_33.TB.G13.C_N IL34_33.TB.G13.C_P MCLK_C_N MCLK_C_P OBCLK_C_N OBCLK_C_P OBCLK_N OBCLK_P
net class clks: CLK20.C_N CLK20.C_P CLK21.C_N CLK21.C_P CLK22.C_N CLK22.C_P CLK23.C_N CLK23.C_P CLK30.C_N CLK30.C_P CLK31.C_N CLK31.C_P CLK32.C_N CLK32.C_P CLK33.C_N CLK33.C_P CLKCFG.C_N CLKCFG.C_P MCLK_C_N MCLK_C_P OBCLK_C_N OBCLK_C_P OBCLK_N OBCLK_P
polygon class NO_THERMAL: FPGA_SDRAM_TERM FPGA_TO_IL0730VIOA FPGA_TO_IL0730VIOB
channel class fpga-bank0: FPGA0B1 FPGA0B2 FPGA0B3 FPGA0B4 FPGA0B5 FPGA0B6 FPGA0B7 FPGA0B8 FPGA0B9 FPGA0B10 FPGA0B11 FPGA0B12 FPGA0B13 FPGA0B14 FPGA0B15 FPGA0B16 FPGA0B17
channel class fpga-bank1: FPGA1B1 FPGA1B2 FPGA1B3 FPGA1B4 FPGA1B5 FPGA1B6 FPGA1B7 FPGA1B8 FPGA1B9 FPGA1B10 FPGA1B11 FPGA1B12 FPGA1B13 FPGA1B14 FPGA1B15 FPGA1B16 FPGA1B17
channel class fpga-bank2: FPGA2B1 FPGA2B2 FPGA2B3 FPGA2B4 FPGA2B5 FPGA2B6 FPGA2B7 FPGA2B8 FPGA2B9 FPGA2B10 FPGA2B11 FPGA2B12 FPGA2B13 FPGA2B14 FPGA2B15 FPGA2B16 FPGA2B17
channel class fpga-bank3: FPGA3B1 FPGA3B2 FPGA3B3 FPGA3B4 FPGA3B5 FPGA3B6 FPGA3B7 FPGA3B8 FPGA3B9 FPGA3B10 FPGA3B11 FPGA3B12 FPGA3B13 FPGA3B14 FPGA3B15 FPGA3B16 FPGA3B17
channel class fpga-bank4: FPGA4B1 FPGA4B2 FPGA4B3 FPGA4B4 FPGA4B5 FPGA4B6 FPGA4B7 FPGA4B8 FPGA4B9 FPGA4B10 FPGA4B11 FPGA4B12 FPGA4B13 FPGA4B14 FPGA4B15 FPGA4B16 FPGA4B17
channel class fpga-bank6: FPGA6B1 FPGA6B2 FPGA6B3 FPGA6B4 FPGA6B5 FPGA6B6 FPGA6B7 FPGA6B8 FPGA6B9 FPGA6B10 FPGA6B11 FPGA6B12 FPGA6B13 FPGA6B14 FPGA6B15 FPGA6B16 FPGA6B17
channel class fpga-bank7: FPGA7B1 FPGA7B2 FPGA7B3 FPGA7B4 FPGA7B5 FPGA7B6 FPGA7B7 FPGA7B8 FPGA7B9 FPGA7B10 FPGA7B11 FPGA7B12 FPGA7B13 FPGA7B14 FPGA7B15 FPGA7B16 FPGA7B17
channel class fpga-bank8: FPGA8B1 FPGA8B2 FPGA8B3 FPGA8B4 FPGA8B5 FPGA8B6 FPGA8B7 FPGA8B8 FPGA8B9 FPGA8B10 FPGA8B11 FPGA8B12 FPGA8B13 FPGA8B14 FPGA8B15 FPGA8B16 FPGA8B17
channel class fpga-ground: FPGAGND1 FPGAGND2 FPGAGND3 FPGAGND4 FPGAGND5 FPGAGND6 FPGAGND7 FPGAGND8 FPGAGND9 FPGAGND10 FPGAGND11 FPGAGND12 FPGAGND13 FPGAGND14 FPGAGND15 FPGAGND16 FPGAGND17
channel class fpga-misc: FPGAMISC1 FPGAMISC2 FPGAMISC3 FPGAMISC4 FPGAMISC5 FPGAMISC6 FPGAMISC7 FPGAMISC8 FPGAMISC9 FPGAMISC10 FPGAMISC11 FPGAMISC12 FPGAMISC13 FPGAMISC14 FPGAMISC15 FPGAMISC16 FPGAMISC17
channel class fpga-serdes: FPGASERDES1 FPGASERDES2 FPGASERDES3 FPGASERDES4 FPGASERDES5 FPGASERDES6 FPGASERDES7 FPGASERDES8 FPGASERDES9 FPGASERDES10 FPGASERDES11 FPGASERDES12 FPGASERDES13 FPGASERDES14 FPGASERDES15 FPGASERDES16 FPGASERDES17
channel class fpga: CFG FPGA00 FPGA01 FPGA02 FPGA03 FPGA10 FPGA11 FPGA12 FPGA13 FPGA20 FPGA21 FPGA22 FPGA23 FPGA30 FPGA31 FPGA32 FPGA33
channel class tie-il12-il68: TIE-IL12_10-IL68_11 TIE-IL12_11-IL68_12 TIE-IL12_12-IL68_13 TIE-IL12_20-IL68_21 TIE-IL12_21-IL68_22 TIE-IL12_22-IL68_23 TIE-IL12_30-IL68_31 TIE-IL12_31-IL68_32 TIE-IL12_32-IL68_33
channel class tie-il34-il07: TIE-IL34_10-IL07_20 TIE-IL34_11-IL07_21 TIE-IL34_12-IL07_22 TIE-IL34_13-IL07_23 TIE-IL34_20-IL07_30 TIE-IL34_21-IL07_31 TIE-IL34_22-IL07_32 TIE-IL34_23-IL07_33
channel class tie-il34-sdram: SDRAM00 SDRAM01 SDRAM02 SDRAM03 SDRAM30 SDRAM31 SDRAM32 SDRAM33